# Altium PCB 4G_V4.1_5X4.PcbDoc (part 2 of 4)
Units mm, origin at the board's own origin, x right, y up, seen from the top; angles counter-clockwise.
Board outline 189.75 x 201.25 mm, 2 copper layers (Top Layer, Bottom Layer); 760 components, 0 nets, 5752 pads, 780 vias.
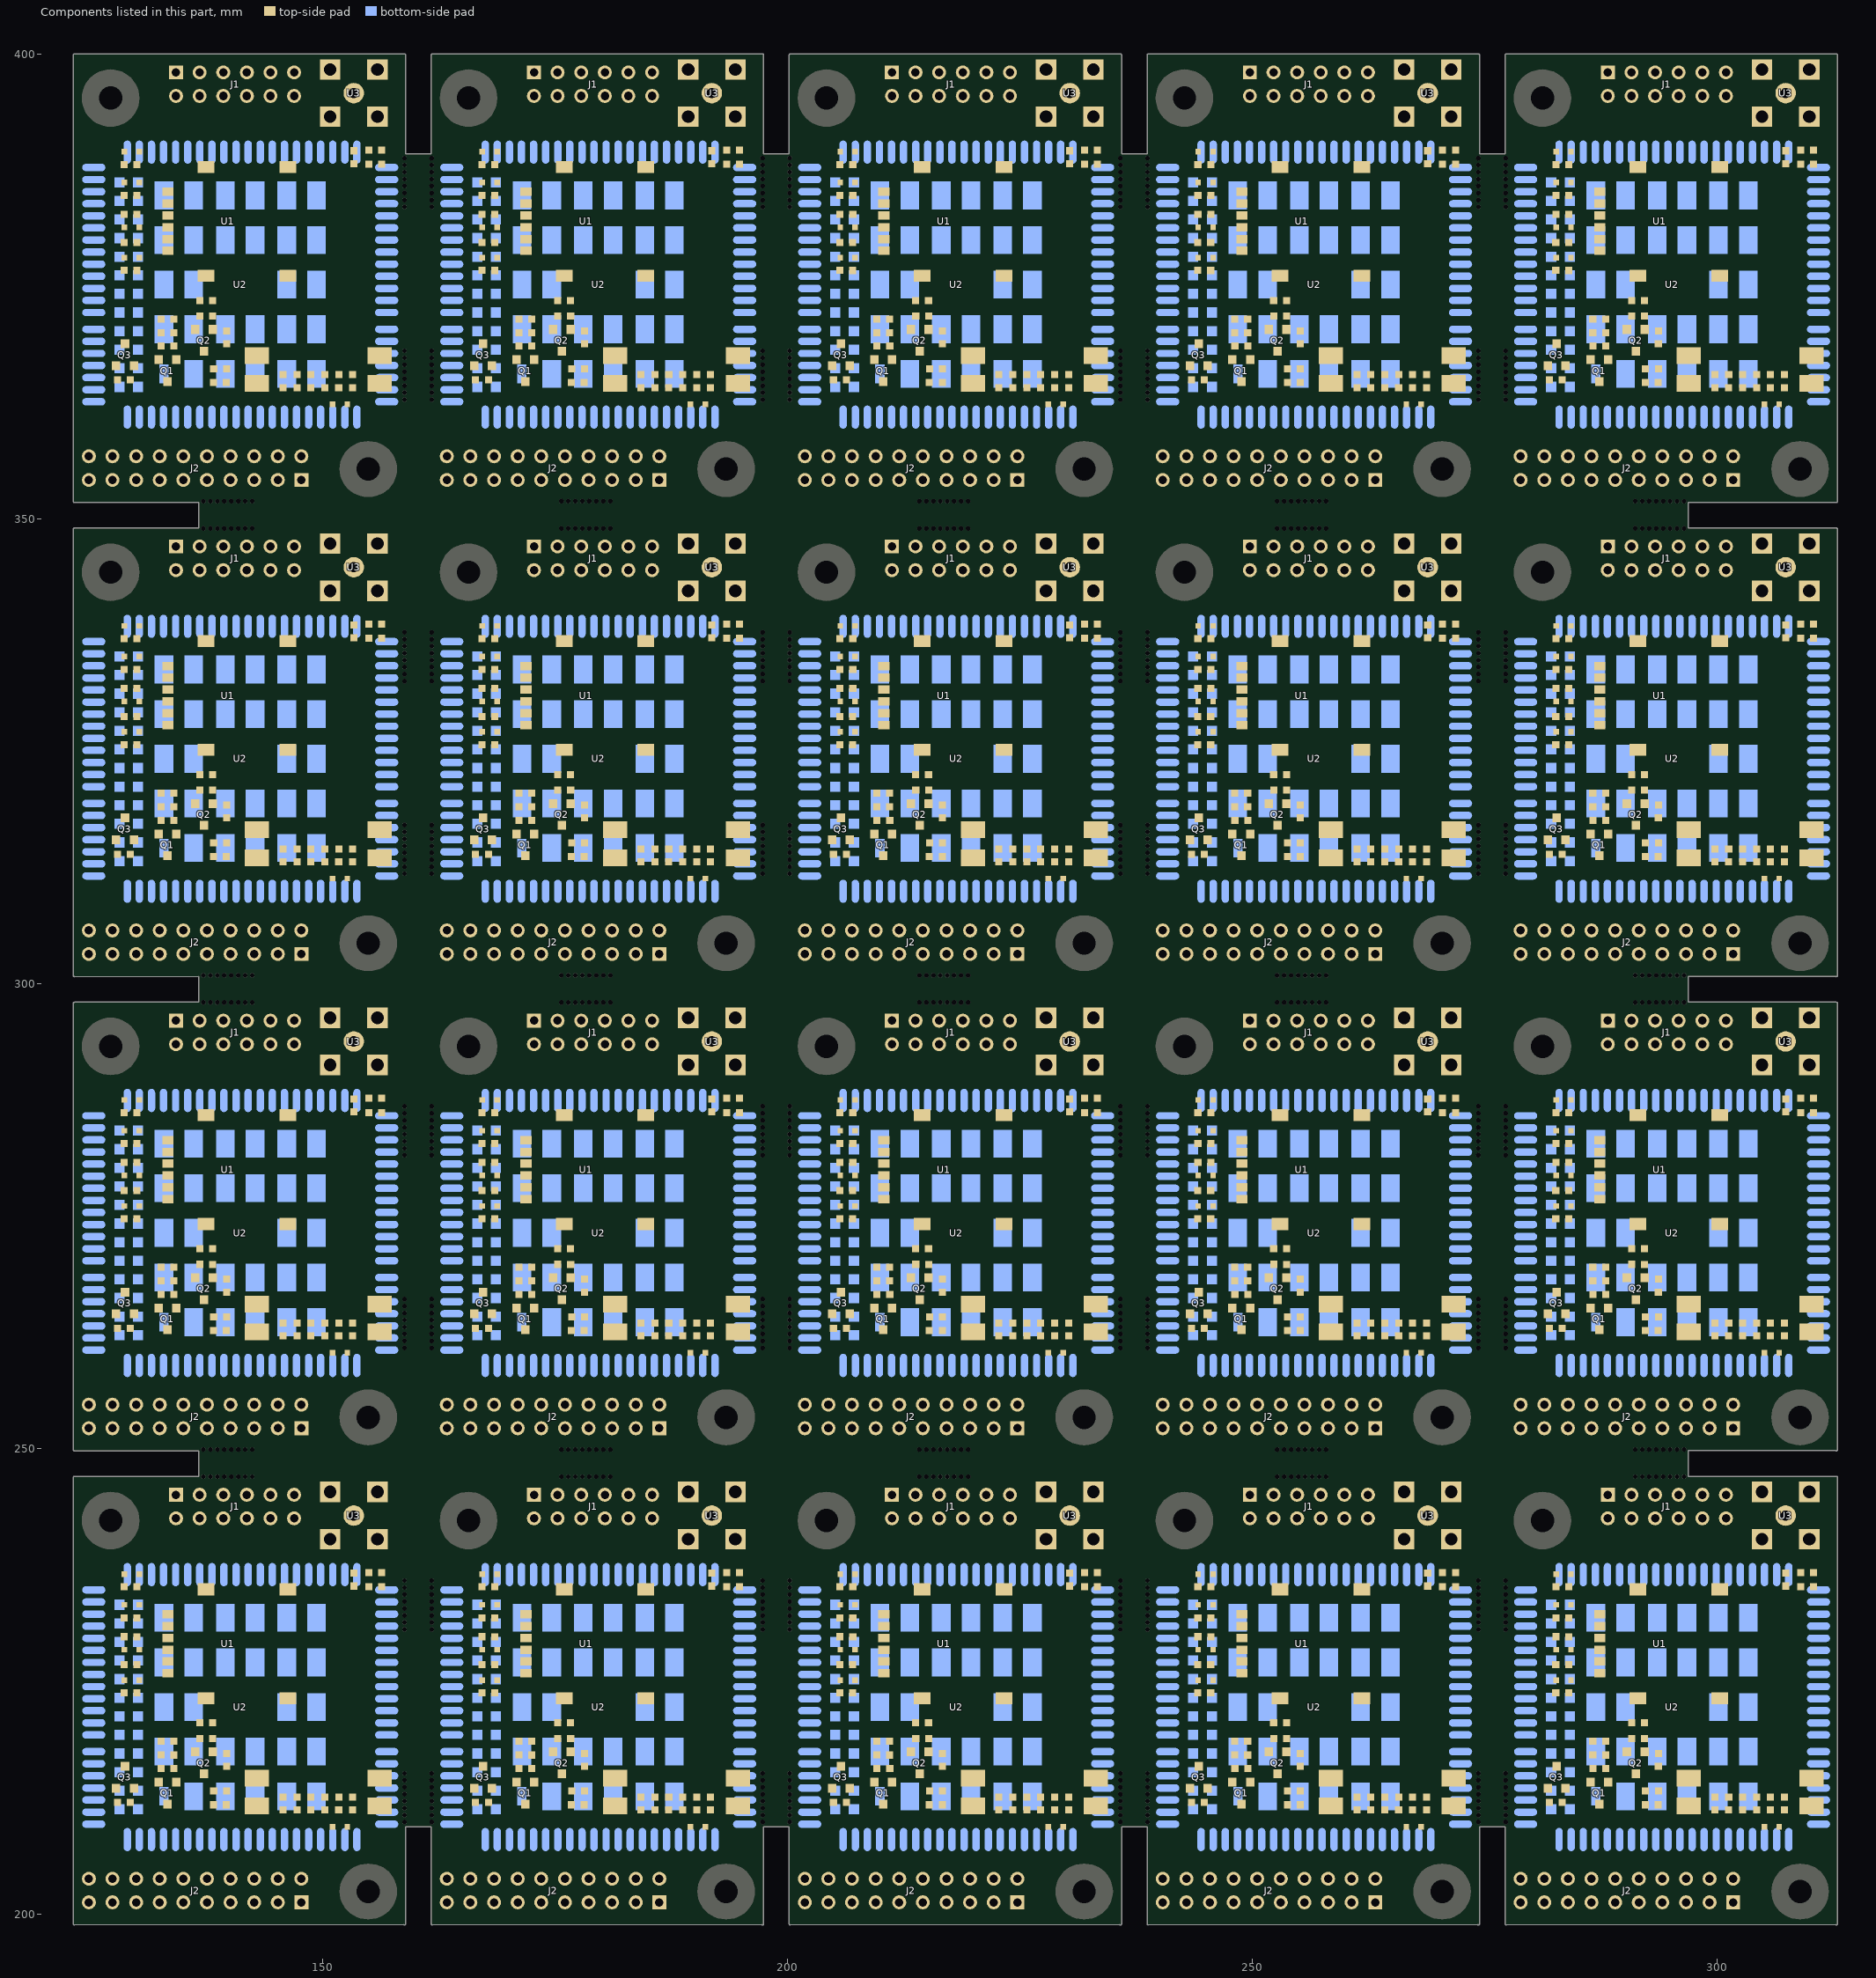
[diagram p2: the components of this part, seen from the top]

## Part data
C1 C1 C1 C1 C1 C1 C1 C1 C1 C1 C1 C1 C1 C1 C1 C1 C1 C1 C1 C1 C2 C2 C2 C2 C2 C2 C2 C2 C2 C2 C2 C2 C2 C2 C2 C2 C2 C2 C2 C2 C3 C3 C3 C3 C3 C3 C3 C3 C3 C3 C3 C3 C3 C3 C3 C3 C3 C3 C3 C3 C4 C4 C4 C4 C4 C4 C4 C4 C4 C4 C4 C4 C4 C4 C4 C4 C4 C4 C4 C4 C5 C5 C5 C5 C5 C5 C5 C5 C5 C5 C5 C5 C5 C5 C5 C5 C5 C5 C5 C5 C6 C6 C6 C6 C6 C6 C6 C6 C6 C6 C6 C6 C6 C6 C6 C6 C6 C6 C6 C6 C7 C7 C7 C7 C7 C7 C7 C7 C7 C7 C7 C7 C7 C7 C7 C7 C7 C7 C7 C7 C8 C8 C8 C8 C8 C8 C8 C8 C8 C8 C8 C8 C8 C8 C8 C8 C8 C8 C8 C8 C10 C10 C10 C10 C10 C10 C10 C10 C10 C10 C10 C10 C10 C10 C10 C10 C10 C10 C10 C10 C11 C11 C11 C11 C11 C11 C11 C11 C11 C11 C11 C11 C11 C11 C11 C11 C11 C11 C11 C11 C12 C12 C12 C12 C12 C12 C12 C12 C12 C12 C12 C12 C12 C12 C12 C12 C12 C12 C12 C12 C14 C14 C14 C14 C14 C14 C14 C14 C14 C14 C14 C14 C14 C14 C14 C14 C14 C14 C14 C14 C15 C15 C15 C15 C15 C15 C15 C15 C15 C15 C15 C15 C15 C15 C15 C15 C15 C15 C15 C15 C16 C16 C16 C16 C16 C16 C16 C16 C16 C16 C16 C16 C16 C16 C16 C16 C16 C16 C16 C16: library part CAP, "无极性电容"
C9 C9 C9 C9 C9 C9 C9 C9 C9 C9 C9 C9 C9 C9 C9 C9 C9 C9 C9 C9 C13 C13 C13 C13 C13 C13 C13 C13 C13 C13 C13 C13 C13 C13 C13 C13 C13 C13 C13 C13: library part "CAP POLAR", "钽电容"
D1 D1 D1 D1 D1 D1 D1 D1 D1 D1 D1 D1 D1 D1 D1 D1 D1 D1 D1 D1 D2 D2 D2 D2 D2 D2 D2 D2 D2 D2 D2 D2 D2 D2 D2 D2 D2 D2 D2 D2 D3 D3 D3 D3 D3 D3 D3 D3 D3 D3 D3 D3 D3 D3 D3 D3 D3 D3 D3 D3 D4 D4 D4 D4 D4 D4 D4 D4 D4 D4 D4 D4 D4 D4 D4 D4 D4 D4 D4 D4 D6 D6 D6 D6 D6 D6 D6 D6 D6 D6 D6 D6 D6 D6 D6 D6 D6 D6 D6 D6: library part TVS, "TVS 瞬态抑制二极管"
D5 D5 D5 D5 D5 D5 D5 D5 D5 D5 D5 D5 D5 D5 D5 D5 D5 D5 D5 D5: library part LED, "发光二极管"
J1 J1 J1 J1 J1 J1 J1 J1 J1 J1 J1 J1 J1 J1 J1 J1 J1 J1 J1 J1: "Header, 6-Pin, Dual row"
J2 J2 J2 J2 J2 J2 J2 J2 J2 J2 J2 J2 J2 J2 J2 J2 J2 J2 J2 J2: "Header, 10-Pin, Dual row"
Q1 Q1 Q1 Q1 Q1 Q1 Q1 Q1 Q1 Q1 Q1 Q1 Q1 Q1 Q1 Q1 Q1 Q1 Q1 Q1 Q2 Q2 Q2 Q2 Q2 Q2 Q2 Q2 Q2 Q2 Q2 Q2 Q2 Q2 Q2 Q2 Q2 Q2 Q2 Q2: library part S8050, "NPN"
Q3 Q3 Q3 Q3 Q3 Q3 Q3 Q3 Q3 Q3 Q3 Q3 Q3 Q3 Q3 Q3 Q3 Q3 Q3 Q3: "NPN三极管"
R1 R1 R1 R1 R1 R1 R1 R1 R1 R1 R1 R1 R1 R1 R1 R1 R1 R1 R1 R1 R2 R2 R2 R2 R2 R2 R2 R2 R2 R2 R2 R2 R2 R2 R2 R2 R2 R2 R2 R2 R3 R3 R3 R3 R3 R3 R3 R3 R3 R3 R3 R3 R3 R3 R3 R3 R3 R3 R3 R3 R4 R4 R4 R4 R4 R4 R4 R4 R4 R4 R4 R4 R4 R4 R4 R4 R4 R4 R4 R4 R5 R5 R5 R5 R5 R5 R5 R5 R5 R5 R5 R5 R5 R5 R5 R5 R5 R5 R5 R5 R6 R6 R6 R6 R6 R6 R6 R6 R6 R6 R6 R6 R6 R6 R6 R6 R6 R6 R6 R6 R7 R7 R7 R7 R7 R7 R7 R7 R7 R7 R7 R7 R7 R7 R7 R7 R7 R7 R7 R7 R8 R8 R8 R8 R8 R8 R8 R8 R8 R8 R8 R8 R8 R8 R8 R8 R8 R8 R8 R8: library part RES2, "电阻"
U1 U1 U1 U1 U1 U1 U1 U1 U1 U1 U1 U1 U1 U1 U1 U1 U1 U1 U1 U1: "无保护引脚SIM卡座"
U2 U2 U2 U2 U2 U2 U2 U2 U2 U2 U2 U2 U2 U2 U2 U2 U2 U2 U2 U2: "移远通信4G"
U3 U3 U3 U3 U3 U3 U3 U3 U3 U3 U3 U3 U3 U3 U3 U3 U3 U3 U3 U3: "天线座"

## Free pads (board coordinates)
  round 6.2 hole 2.5: 1(127.203,242.3) 1(127.203,293.3) 1(127.203,344.3) 1(127.203,395.3) 1(165.703,242.3) 1(165.703,293.3) 1(165.703,344.3) 1(165.703,395.3) 1(204.203,242.3) 1(204.203,293.3) 1(204.203,344.3) 1(204.203,395.3) 1(242.703,242.3) 1(242.703,293.3) 1(242.703,344.3) 1(242.703,395.3) 1(281.203,242.3) 1(281.203,293.3) 1(281.203,344.3) 1(281.203,395.3)
  oval 6.2x6 hole 2.5: 2(154.915,202.397) 2(154.915,253.397) 2(154.915,304.397) 2(154.915,355.397) 2(193.415,202.397) 2(193.415,253.397) 2(193.415,304.397) 2(193.415,355.397) 2(231.915,202.397) 2(231.915,253.397) 2(231.915,304.397) 2(231.915,355.397) 2(270.415,202.397) 2(270.415,253.397) 2(270.415,304.397) 2(270.415,355.397) 2(308.915,202.397) 2(308.915,253.397) 2(308.915,304.397) 2(308.915,355.397)
  round 0.5 hole 0.5: 5(137.185,247.018) 5(137.185,249.939) 5(137.185,298.018) 5(137.185,300.939) 5(137.185,349.018) 5(137.185,351.939) 5(158.817,209.864) 5(158.817,230.591) 5(158.817,260.864) 5(158.817,281.591) 5(158.817,311.864) 5(158.817,332.591) 5(158.817,362.864) 5(158.817,383.591) 5(161.738,209.864) 5(161.738,230.591) 5(161.738,260.864) 5(161.738,281.591) 5(161.738,311.864) 5(161.738,332.591) 5(161.738,362.864) 5(161.738,383.591) 5(175.685,247.018) 5(175.685,249.939) 5(175.685,298.018) 5(175.685,300.939) 5(175.685,349.018) 5(175.685,351.939) 5(197.317,209.864) 5(197.317,230.591) 5(197.317,260.864) 5(197.317,281.591) 5(197.317,311.864) 5(197.317,332.591) 5(197.317,362.864) 5(197.317,383.591) 5(200.238,209.864) 5(200.238,230.591) 5(200.238,260.864) 5(200.238,281.591) 5(200.238,311.864) 5(200.238,332.591) 5(200.238,362.864) 5(200.238,383.591) 5(214.185,247.018) 5(214.185,249.939) 5(214.185,298.018) 5(214.185,300.939) 5(214.185,349.018) 5(214.185,351.939) 5(235.817,209.864) 5(235.817,230.591) 5(235.817,260.864) 5(235.817,281.591) 5(235.817,311.864) 5(235.817,332.591) 5(235.817,362.864) 5(235.817,383.591) 5(238.738,209.864) 5(238.738,230.591) 5(238.738,260.864) 5(238.738,281.591) 5(238.738,311.864) 5(238.738,332.591) 5(238.738,362.864) 5(238.738,383.591) 5(252.685,247.018) 5(252.685,249.939) 5(252.685,298.018) 5(252.685,300.939) 5(252.685,349.018) 5(252.685,351.939) 5(274.317,209.864) 5(274.317,230.591) 5(274.317,260.864) 5(274.317,281.591) 5(274.317,311.864) 5(274.317,332.591) 5(274.317,362.864) 5(274.317,383.591) 5(277.238,209.864) 5(277.238,230.591) 5(277.238,260.864) 5(277.238,281.591) 5(277.238,311.864) 5(277.238,332.591) 5(277.238,362.864) 5(277.238,383.591) 5(291.185,247.018) 5(291.185,249.939) 5(291.185,298.018) 5(291.185,300.939) 5(291.185,349.018) 5(291.185,351.939) 6(137.935,247.018) 6(137.935,249.939) 6(137.935,298.018) 6(137.935,300.939) 6(137.935,349.018) 6(137.935,351.939) 6(158.817,210.614) 6(158.817,231.341) 6(158.817,261.614) 6(158.817,282.341) 6(158.817,312.614) 6(158.817,333.341) 6(158.817,363.614) 6(158.817,384.341) 6(161.738,210.614) 6(161.738,231.341) 6(161.738,261.614) 6(161.738,282.341) 6(161.738,312.614) 6(161.738,333.341) 6(161.738,363.614) 6(161.738,384.341) 6(176.435,247.018) 6(176.435,249.939) 6(176.435,298.018) 6(176.435,300.939) 6(176.435,349.018) 6(176.435,351.939) 6(197.317,210.614) 6(197.317,231.341) 6(197.317,261.614) 6(197.317,282.341) 6(197.317,312.614) 6(197.317,333.341) 6(197.317,363.614) 6(197.317,384.341) 6(200.238,210.614) 6(200.238,231.341) 6(200.238,261.614) 6(200.238,282.341) 6(200.238,312.614) 6(200.238,333.341) 6(200.238,363.614) 6(200.238,384.341) 6(214.935,247.018) 6(214.935,249.939) 6(214.935,298.018) 6(214.935,300.939) 6(214.935,349.018) 6(214.935,351.939) 6(235.817,210.614) 6(235.817,231.341) 6(235.817,261.614) 6(235.817,282.341) 6(235.817,312.614) 6(235.817,333.341) 6(235.817,363.614) 6(235.817,384.341) 6(238.738,210.614) 6(238.738,231.341) 6(238.738,261.614) 6(238.738,282.341) 6(238.738,312.614) 6(238.738,333.341) 6(238.738,363.614) 6(238.738,384.341) 6(253.435,247.018) 6(253.435,249.939) 6(253.435,298.018) 6(253.435,300.939) 6(253.435,349.018) 6(253.435,351.939) 6(274.317,210.614) 6(274.317,231.341) 6(274.317,261.614) 6(274.317,282.341) 6(274.317,312.614) 6(274.317,333.341) 6(274.317,363.614) 6(274.317,384.341) 6(277.238,210.614) 6(277.238,231.341) 6(277.238,261.614) 6(277.238,282.341) 6(277.238,312.614) 6(277.238,333.341) 6(277.238,363.614) 6(277.238,384.341) 6(291.935,247.018) 6(291.935,249.939) 6(291.935,298.018) 6(291.935,300.939) 6(291.935,349.018) 6(291.935,351.939) 7(138.685,247.018) 7(138.685,249.939) 7(138.685,298.018) 7(138.685,300.939) 7(138.685,349.018) 7(138.685,351.939) 7(158.817,211.364) 7(158.817,232.091) 7(158.817,262.364) 7(158.817,283.091) 7(158.817,313.364) 7(158.817,334.091) 7(158.817,364.364) 7(158.817,385.091) 7(161.738,211.364) 7(161.738,232.091) 7(161.738,262.364) 7(161.738,283.091) 7(161.738,313.364) 7(161.738,334.091) 7(161.738,364.364) 7(161.738,385.091) 7(177.185,247.018) 7(177.185,249.939) 7(177.185,298.018) 7(177.185,300.939) 7(177.185,349.018) 7(177.185,351.939) 7(197.317,211.364) 7(197.317,232.091) 7(197.317,262.364) 7(197.317,283.091) 7(197.317,313.364) 7(197.317,334.091) 7(197.317,364.364) 7(197.317,385.091) 7(200.238,211.364) 7(200.238,232.091) 7(200.238,262.364) 7(200.238,283.091) 7(200.238,313.364) 7(200.238,334.091) 7(200.238,364.364) 7(200.238,385.091) 7(215.685,247.018) 7(215.685,249.939) 7(215.685,298.018) 7(215.685,300.939) 7(215.685,349.018) 7(215.685,351.939) 7(235.817,211.364) 7(235.817,232.091) 7(235.817,262.364) 7(235.817,283.091) 7(235.817,313.364) 7(235.817,334.091) 7(235.817,364.364) 7(235.817,385.091) 7(238.738,211.364) 7(238.738,232.091) 7(238.738,262.364) 7(238.738,283.091) 7(238.738,313.364) 7(238.738,334.091) 7(238.738,364.364) 7(238.738,385.091) 7(254.185,247.018) 7(254.185,249.939) 7(254.185,298.018) 7(254.185,300.939) 7(254.185,349.018) 7(254.185,351.939) 7(274.317,211.364) 7(274.317,232.091) 7(274.317,262.364) 7(274.317,283.091) 7(274.317,313.364) 7(274.317,334.091) 7(274.317,364.364) 7(274.317,385.091) 7(277.238,211.364) 7(277.238,232.091) 7(277.238,262.364) 7(277.238,283.091) 7(277.238,313.364) 7(277.238,334.091) 7(277.238,364.364) 7(277.238,385.091) 7(292.685,247.018) 7(292.685,249.939) 7(292.685,298.018) 7(292.685,300.939) 7(292.685,349.018) 7(292.685,351.939) 8(139.435,247.018) 8(139.435,249.939) 8(139.435,298.018) 8(139.435,300.939) 8(139.435,349.018) 8(139.435,351.939) 8(158.817,212.114) 8(158.817,232.841) 8(158.817,263.114) 8(158.817,283.841) 8(158.817,314.114) 8(158.817,334.841) 8(158.817,365.114) 8(158.817,385.841) 8(161.738,212.114) 8(161.738,232.841) 8(161.738,263.114) 8(161.738,283.841) 8(161.738,314.114) 8(161.738,334.841) 8(161.738,365.114) 8(161.738,385.841) 8(177.935,247.018) 8(177.935,249.939) 8(177.935,298.018) 8(177.935,300.939) 8(177.935,349.018) 8(177.935,351.939) 8(197.317,212.114) 8(197.317,232.841) 8(197.317,263.114) 8(197.317,283.841) 8(197.317,314.114) 8(197.317,334.841) 8(197.317,365.114) 8(197.317,385.841) 8(200.238,212.114) 8(200.238,232.841) 8(200.238,263.114) 8(200.238,283.841) 8(200.238,314.114) 8(200.238,334.841) 8(200.238,365.114) 8(200.238,385.841) 8(216.435,247.018) 8(216.435,249.939) 8(216.435,298.018) 8(216.435,300.939) 8(216.435,349.018) 8(216.435,351.939) 8(235.817,212.114) 8(235.817,232.841) 8(235.817,263.114) 8(235.817,283.841) 8(235.817,314.114) 8(235.817,334.841) 8(235.817,365.114) 8(235.817,385.841) 8(238.738,212.114) 8(238.738,232.841) 8(238.738,263.114) 8(238.738,283.841) 8(238.738,314.114) 8(238.738,334.841) 8(238.738,365.114) 8(238.738,385.841) 8(254.935,247.018) 8(254.935,249.939) 8(254.935,298.018) 8(254.935,300.939) 8(254.935,349.018) 8(254.935,351.939) 8(274.317,212.114) 8(274.317,232.841) 8(274.317,263.114) 8(274.317,283.841) 8(274.317,314.114) 8(274.317,334.841) 8(274.317,365.114) 8(274.317,385.841) 8(277.238,212.114) 8(277.238,232.841) 8(277.238,263.114) 8(277.238,283.841) 8(277.238,314.114) 8(277.238,334.841) 8(277.238,365.114) 8(277.238,385.841) 8(293.435,247.018) 8(293.435,249.939) 8(293.435,298.018) 8(293.435,300.939) 8(293.435,349.018) 8(293.435,351.939) 9(140.185,247.018) 9(140.185,249.939) 9(140.185,298.018) 9(140.185,300.939) 9(140.185,349.018) 9(140.185,351.939) 9(158.817,212.864) 9(158.817,233.591) 9(158.817,263.864) 9(158.817,284.591) 9(158.817,314.864) 9(158.817,335.591) 9(158.817,365.864) 9(158.817,386.591) 9(161.738,212.864) 9(161.738,233.591) 9(161.738,263.864) 9(161.738,284.591) 9(161.738,314.864) 9(161.738,335.591) 9(161.738,365.864) 9(161.738,386.591) 9(178.685,247.018) 9(178.685,249.939) 9(178.685,298.018) 9(178.685,300.939) 9(178.685,349.018) 9(178.685,351.939) 9(197.317,212.864) 9(197.317,233.591) 9(197.317,263.864) 9(197.317,284.591) 9(197.317,314.864) 9(197.317,335.591) 9(197.317,365.864) 9(197.317,386.591) 9(200.238,212.864) 9(200.238,233.591) 9(200.238,263.864) 9(200.238,284.591) 9(200.238,314.864) 9(200.238,335.591) 9(200.238,365.864) 9(200.238,386.591) 9(217.185,247.018) 9(217.185,249.939) 9(217.185,298.018) 9(217.185,300.939) 9(217.185,349.018) 9(217.185,351.939) 9(235.817,212.864) 9(235.817,233.591) 9(235.817,263.864) 9(235.817,284.591) 9(235.817,314.864) 9(235.817,335.591) 9(235.817,365.864) 9(235.817,386.591) 9(238.738,212.864) 9(238.738,233.591) 9(238.738,263.864) 9(238.738,284.591) 9(238.738,314.864) 9(238.738,335.591) 9(238.738,365.864) 9(238.738,386.591) 9(255.685,247.018) 9(255.685,249.939) 9(255.685,298.018) 9(255.685,300.939) 9(255.685,349.018) 9(255.685,351.939) 9(274.317,212.864) 9(274.317,233.591) 9(274.317,263.864) 9(274.317,284.591) 9(274.317,314.864) 9(274.317,335.591) 9(274.317,365.864) 9(274.317,386.591) 9(277.238,212.864) 9(277.238,233.591) 9(277.238,263.864) 9(277.238,284.591) 9(277.238,314.864) 9(277.238,335.591) 9(277.238,365.864) 9(277.238,386.591) 9(294.185,247.018) 9(294.185,249.939) 9(294.185,298.018) 9(294.185,300.939) 9(294.185,349.018) 9(294.185,351.939) 10(140.935,247.018) 10(140.935,249.939) 10(140.935,298.018) 10(140.935,300.939) 10(140.935,349.018) 10(140.935,351.939) 10(158.817,213.614) 10(158.817,234.341) 10(158.817,264.614) 10(158.817,285.341) 10(158.817,315.614) 10(158.817,336.341) 10(158.817,366.614) 10(158.817,387.341) 10(161.738,213.614) 10(161.738,234.341) 10(161.738,264.614) 10(161.738,285.341) 10(161.738,315.614) 10(161.738,336.341) 10(161.738,366.614) 10(161.738,387.341) 10(179.435,247.018) 10(179.435,249.939) 10(179.435,298.018) 10(179.435,300.939) 10(179.435,349.018) 10(179.435,351.939) 10(197.317,213.614) 10(197.317,234.341) 10(197.317,264.614) 10(197.317,285.341) 10(197.317,315.614) 10(197.317,336.341) 10(197.317,366.614) 10(197.317,387.341) 10(200.238,213.614) 10(200.238,234.341) 10(200.238,264.614) 10(200.238,285.341) 10(200.238,315.614) 10(200.238,336.341) 10(200.238,366.614) 10(200.238,387.341) 10(217.935,247.018) 10(217.935,249.939) 10(217.935,298.018) 10(217.935,300.939) 10(217.935,349.018) 10(217.935,351.939) 10(235.817,213.614) 10(235.817,234.341) 10(235.817,264.614) 10(235.817,285.341) 10(235.817,315.614) 10(235.817,336.341) 10(235.817,366.614) 10(235.817,387.341) 10(238.738,213.614) 10(238.738,234.341) 10(238.738,264.614) 10(238.738,285.341) 10(238.738,315.614) 10(238.738,336.341) 10(238.738,366.614) 10(238.738,387.341) 10(256.435,247.018) 10(256.435,249.939) 10(256.435,298.018) 10(256.435,300.939) 10(256.435,349.018) 10(256.435,351.939) 10(274.317,213.614) 10(274.317,234.341) 10(274.317,264.614) 10(274.317,285.341) 10(274.317,315.614) 10(274.317,336.341) 10(274.317,366.614) 10(274.317,387.341) 10(277.238,213.614) 10(277.238,234.341) 10(277.238,264.614) 10(277.238,285.341) 10(277.238,315.614) 10(277.238,336.341) 10(277.238,366.614) 10(277.238,387.341) 10(294.935,247.018) 10(294.935,249.939) 10(294.935,298.018) 10(294.935,300.939) 10(294.935,349.018) 10(294.935,351.939) 11(141.685,247.018) 11(141.685,249.939) 11(141.685,298.018) 11(141.685,300.939) 11(141.685,349.018) 11(141.685,351.939) 11(158.817,214.364) 11(158.817,235.091) 11(158.817,265.364) 11(158.817,286.091) 11(158.817,316.364) 11(158.817,337.091) 11(158.817,367.364) 11(158.817,388.091) 11(161.738,214.364) 11(161.738,235.091) 11(161.738,265.364) 11(161.738,286.091) 11(161.738,316.364) 11(161.738,337.091) 11(161.738,367.364) 11(161.738,388.091) 11(180.185,247.018) 11(180.185,249.939) 11(180.185,298.018) 11(180.185,300.939) 11(180.185,349.018) 11(180.185,351.939) 11(197.317,214.364) 11(197.317,235.091) 11(197.317,265.364) 11(197.317,286.091) 11(197.317,316.364) 11(197.317,337.091) 11(197.317,367.364) 11(197.317,388.091) 11(200.238,214.364) 11(200.238,235.091) 11(200.238,265.364) 11(200.238,286.091) 11(200.238,316.364) 11(200.238,337.091) 11(200.238,367.364) 11(200.238,388.091) 11(218.685,247.018) 11(218.685,249.939) 11(218.685,298.018) 11(218.685,300.939) 11(218.685,349.018) 11(218.685,351.939) 11(235.817,214.364) 11(235.817,235.091) 11(235.817,265.364) 11(235.817,286.091) 11(235.817,316.364) 11(235.817,337.091) 11(235.817,367.364) 11(235.817,388.091) 11(238.738,214.364) 11(238.738,235.091) 11(238.738,265.364) 11(238.738,286.091) 11(238.738,316.364) 11(238.738,337.091) 11(238.738,367.364) 11(238.738,388.091) 11(257.185,247.018) 11(257.185,249.939) 11(257.185,298.018) 11(257.185,300.939) 11(257.185,349.018) 11(257.185,351.939) 11(274.317,214.364) 11(274.317,235.091) 11(274.317,265.364) 11(274.317,286.091) 11(274.317,316.364) 11(274.317,337.091) 11(274.317,367.364) 11(274.317,388.091) 11(277.238,214.364) 11(277.238,235.091) 11(277.238,265.364) 11(277.238,286.091) 11(277.238,316.364) 11(277.238,337.091) 11(277.238,367.364) 11(277.238,388.091) 11(295.685,247.018) 11(295.685,249.939) 11(295.685,298.018) 11(295.685,300.939) 11(295.685,349.018) 11(295.685,351.939) 12(142.435,247.018) 12(142.435,249.939) 12(142.435,298.018) 12(142.435,300.939) 12(142.435,349.018) 12(142.435,351.939) 12(158.817,215.114) 12(158.817,235.841) 12(158.817,266.114) 12(158.817,286.841) 12(158.817,317.114) 12(158.817,337.841) 12(158.817,368.114) 12(158.817,388.841) 12(161.738,215.114) 12(161.738,235.841) 12(161.738,266.114) 12(161.738,286.841) 12(161.738,317.114) 12(161.738,337.841) 12(161.738,368.114) 12(161.738,388.841) 12(180.935,247.018) 12(180.935,249.939) 12(180.935,298.018) 12(180.935,300.939) 12(180.935,349.018) 12(180.935,351.939) 12(197.317,215.114) 12(197.317,235.841) 12(197.317,266.114) 12(197.317,286.841) 12(197.317,317.114) 12(197.317,337.841) 12(197.317,368.114) 12(197.317,388.841) 12(200.238,215.114) 12(200.238,235.841) 12(200.238,266.114) 12(200.238,286.841) 12(200.238,317.114) 12(200.238,337.841) 12(200.238,368.114) 12(200.238,388.841) 12(219.435,247.018) 12(219.435,249.939) 12(219.435,298.018) 12(219.435,300.939) 12(219.435,349.018) 12(219.435,351.939) 12(235.817,215.114) 12(235.817,235.841) 12(235.817,266.114) 12(235.817,286.841) 12(235.817,317.114) 12(235.817,337.841) 12(235.817,368.114) 12(235.817,388.841) 12(238.738,215.114) 12(238.738,235.841) 12(238.738,266.114) 12(238.738,286.841) 12(238.738,317.114) 12(238.738,337.841) 12(238.738,368.114) 12(238.738,388.841) 12(257.935,247.018) 12(257.935,249.939) 12(257.935,298.018) 12(257.935,300.939) 12(257.935,349.018) 12(257.935,351.939) 12(274.317,215.114) 12(274.317,235.841) 12(274.317,266.114) 12(274.317,286.841) 12(274.317,317.114) 12(274.317,337.841) 12(274.317,368.114) 12(274.317,388.841) 12(277.238,215.114) 12(277.238,235.841) 12(277.238,266.114) 12(277.238,286.841) 12(277.238,317.114) 12(277.238,337.841) 12(277.238,368.114) 12(277.238,388.841) 12(296.435,247.018) 12(296.435,249.939) 12(296.435,298.018) 12(296.435,300.939) 12(296.435,349.018) 12(296.435,351.939)

## Via types
v1: diameter 0.5, hole 0.3, Top Layer to Bottom Layer, tented both sides, 720 vias
v2: diameter 0.9, hole 0.7, Top Layer to Bottom Layer, tented both sides, 40 vias
v3: diameter 0.7, hole 0.5, Top Layer to Bottom Layer, tented both sides, 20 vias

## Nets (pads, with @x,y where several pads share a name; then routed paths per layer and width w, separated by ;. In a path a pad name is that pad's centre, name@x,y a point inside that pad or via, vN(x,y) a via of type N, cw(c..) or ccw(c..) an arc to the next point about the centre after c; other vN are vias at no path point)
pads on no net: C1.1 C1.2 C2.1 C2.2 C3.1 C3.2 C4.1 C4.2 C5.1 C5.2 C6.1 C6.2 C7.1 C7.2 C8.1 C8.2 C9.1 C9.2 C10.1 C10.2 C11.1 C11.2 C12.1 C12.2 C13.1 C13.2 C14.1 C14.2 C15.1 C15.2 C16.1 C16.2 D1.1 D1.2 D2.1 D2.2 D3.1 D3.2 D4.1 D4.2 D5.1 D5.2 D6.1 D6.2 J1.1 J1.2 J1.3 J1.4 J1.5 J1.6 J1.7 J1.8 J1.9 J1.10 J1.11 J1.12 J2.1 J2.2 J2.3 J2.4 J2.5 J2.6 J2.7 J2.8 J2.9 J2.10 J2.11 J2.12 J2.13 J2.14 J2.15 J2.16 J2.17 J2.18 J2.19 J2.20 Q1.1 Q1.2 Q1.3 Q2.1 Q2.2 Q2.3 Q3.1 Q3.2 Q3.3 R1.1 R1.2 R2.1 R2.2 R3.1 R3.2 R4.1 R4.2 R5.1 R5.2 R6.1 R6.2 R7.1 R7.2 R8.1 R8.2 U1.0 U1.1 U1.2 U1.3 U1.4 U1.5 U1.6 U2.1 U2.2 U2.3 U2.4 U2.5 U2.6 U2.7 U2.8 U2.9 U2.10 U2.11 U2.12 U2.13 U2.14 U2.15 U2.16 U2.17 U2.18 U2.19 U2.20 U2.21 U2.22 U2.23 U2.24 U2.25 U2.26 U2.27 U2.28 U2.29 U2.30 U2.31 U2.32 U2.33 U2.34 U2.35 U2.36 U2.37 U2.38 U2.39 U2.40 U2.41 U2.42 U2.43 U2.44 U2.45 U2.46 U2.47 U2.48 U2.49 U2.50 U2.51 U2.52 U2.53 U2.54 U2.55 U2.56 U2.57 U2.58 U2.59 U2.60 U2.61 U2.62 U2.63 U2.64 U2.65 U2.66 U2.67 U2.68 U2.69 U2.70 U2.71 U2.72 U2.85 U2.86 U2.87 U2.88 U2.89 U2.90 U2.91 U2.92 U2.93 U2.94 U2.95 U2.96 U2.97 U2.98 U2.99 U2.100 U2.101 U2.102 U2.103 U2.104 U2.105 U2.106 U2.107 U2.108 U2.109 U2.110 U2.111 U2.112 U2.113 U2.114 U2.115 U2.116 U2.117 U2.118 U2.119 U2.120 U2.121 U2.122 U2.123 U2.124 U2.125 U2.126 U2.127 U2.128 U2.129 U2.130 U2.131 U2.132 U2.133 U2.134 U2.135 U2.136 U2.137 U2.138 U2.139 U2.140 U2.141 U2.142 U2.143 U2.144 U3.0 U3.1